# KiCad board Backplane_v2.kicad_pcb (continued)
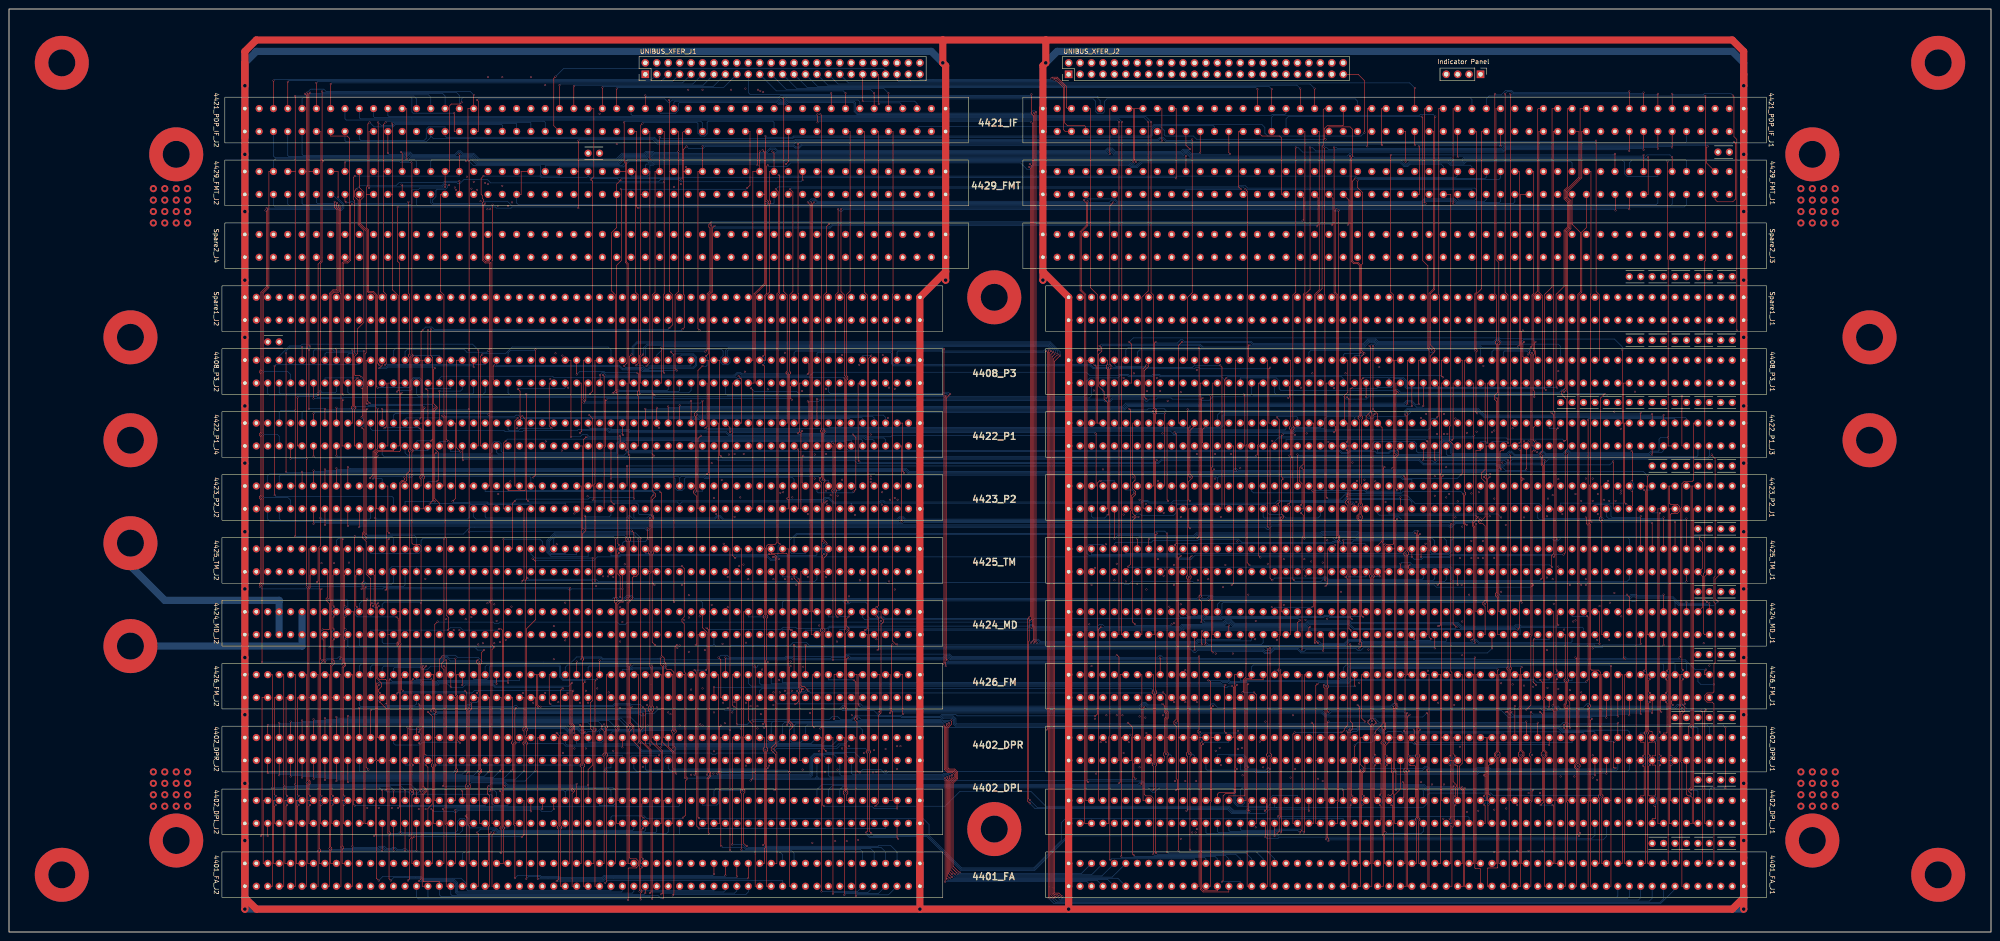
[diagram p0: board, top side]
## Routing (per net, layer and track width the routed paths; a pad name or vN(x,y) marks a point on that pad's centre or on a via; arc(x,y) is an arc through that point) (continued)
OUT*: length 193.6
  F.SigTop w0.127: 4421_PDP_IF_J1.43 317.41,182.88 317.41,141.61 317.54,141.48 317.54,127 ; v2(317.15,77.09) 317.54,77.47 317.54,127 ; v2(271.44,77.09) 271.82,77.47 271.82,107.95 4422_P1_J3.92 ; v2(321.6,77.09) 4425_TM_J1.52 ; 317.54,127 4408_P3_J1.55
  B.Sig.Top w0.127: v2(271.44,77.09) 271.69,77.34 316.9,77.34 v2(317.15,77.09) 317.41,77.34 321.35,77.34 v2(321.6,77.09)
OVFL*: length 19.5
  F.SigTop w0.127: 4421_PDP_IF_J1.70 278.17,176.78 282.1,176.78 282.48,176.4 282.48,163.83 4429_FMT_J1.66
PAUSE1*: length 36.3
  F.Sig.In w0.127: v2(260.13,119.89) 259.88,120.14 259.88,121.16 4408_P3_J1.100 ; 4422_P1_J3.116 241.21,107.95 241.34,108.08 241.34,109.98 240.7,110.62 240.7,110.87 241.34,111.51 241.34,119.76 v2(240.83,120.27)
  B.Sig.In w0.127: v2(260.13,119.89) 259.88,119.63 250.99,119.63 250.1,120.52 241.08,120.52 v2(240.83,120.27)
PNL00*: length 127.3
  F.Sig.In w0.127: 358.43,107.95 358.43,98.55 v2(357.92,98.04) 358.43,97.54 358.43,70.61 v2(357.92,70.1) ; 358.43,107.95 4422_P1_J3.22 ; 358.43,107.95 358.43,112.14 358.18,112.39 358.18,121.92 4408_P3_J1.24
  B.Sig.In w0.127: 4424_MD_J1.61 308.9,70.1 309.28,69.72 350.56,69.72 350.94,70.1 v2(357.92,70.1) ; v2(357.92,98.04) 336.84,98.04 4423_P2_J1.39
PNL01*: length 129
  F.Sig.In w0.127: 355.89,108.08 355.89,121.92 4408_P3_J1.26 ; 355.89,108.08 355.89,107.95 4422_P1_J3.24 ; 355.89,108.08 355.89,105.03 355.64,104.77 355.64,100.33 355.89,100.08 355.89,96.39 v2(355.25,95.76) 355.89,95.12 355.89,65.53 v2(355.25,64.9)
  B.Sig.In w0.127: v2(355.25,95.76) 354.49,95 336.84,95 4423_P2_J1.40 ; 4424_MD_J1.62 308.9,64.64 309.28,64.26 324.77,64.26 325.28,64.77 325.92,64.77 326.43,64.26 352.72,64.26 353.35,64.9 v2(355.25,64.9)
PNL02*: length 120.6
  F.Sig.In w0.127: 353.35,107.95 353.35,121.92 4408_P3_J1.28 ; 353.35,107.95 353.35,98.04 352.72,97.41 v2(352.72,97.28) 353.35,96.65 353.35,92.33 353.1,92.08 353.1,91.44 353.35,91.19 353.35,72.64 v2(353.1,72.39) ; 353.35,107.95 4422_P1_J3.26
  B.Sig.In w0.127: v2(352.72,97.28) 352.21,97.79 334.55,97.79 334.3,98.04 4423_P2_J1.41 ; 4424_MD_J1.63 306.36,72.26 306.49,72.39 v2(353.1,72.39)
PNL2DBL*: length 174.1
  F.Sig.In w0.127: v2(257.21,117.98) 256.83,118.36 256.83,125.73 4408_P3_J1.101
  B.Sig.In w0.127: 4422_P1_J4.81 100.62,111.89 101.13,111.38 103.92,111.38 104.43,111.89 104.43,115.57 104.94,116.08 139.48,116.08 140.88,117.47 145.32,117.47 147.23,119.38 207.05,119.38 207.55,119.89 240.32,119.89 240.83,119.38 255.81,119.38 v2(257.21,117.98)
PNL2DP: length 57.5
  F.SigTop w0.127: v2(270.23,123) 269.78,122.56 269.78,93.98 4423_P2_J1.92
  B.Sig.Top w0.127: v2(270.23,123) 270.55,123.32 295.82,123.32 296.2,122.94 4408_P3_J1.72
PNL2MA*: length 68.7
  F.Sig.In w0.127: v2(157.01,92.84) 157.52,93.35 157.52,100.33 157.26,100.58 157.26,106.17 157.52,106.43 157.52,121.92 4408_P3_J2.38
  B.Sig.In w0.127: 4423_P2_J2.66 120.94,92.46 121.45,91.95 128.05,91.95 128.81,92.71 156.88,92.71 v2(157.01,92.84)
PNL2MD*: length 76.8
  F.SigTop w0.127: v2(317.28,67.94) 317.54,67.94 317.79,68.2 317.79,101.73 318.04,101.98 318.04,121.92 4408_P3_J1.54
  B.Sig.Top w0.127: 4424_MD_J1.42 335.44,66.04 335.44,67.44 335.19,67.69 334.68,67.69 334.43,67.44 322.24,67.44 321.47,68.2 317.79,68.2 317.54,67.94 v2(317.28,67.94)
PNL2PSA*: length 49.3
  F.Sig.In w0.127: 4408_P3_J1.91 271.82,127 271.82,106.68 v2(271.31,106.17)
  B.Sig.In w0.127: v2(271.31,106.17) 270.8,106.68 245.65,106.68 245.4,106.93 4422_P1_J3.112
PNL2TMA*: length 127
  F.SigTop w0.127: v2(154.98,101.73) 155.23,101.98 155.23,127 4408_P3_J2.39
  B.Sig.Top w0.127: 4423_P2_J2.115 57.44,101.35 57.82,101.73 88.3,101.73 88.81,101.22 89.19,101.22 89.7,101.73 v2(154.98,101.73)
PNL03*: length 128.9
  F.Sig.In w0.127: 4408_P3_J1.30 350.81,121.92 350.81,115.57 351.06,115.32 351.06,107.95 ; v2(351.57,62.99) 350.81,63.75 350.81,68.96 351.06,69.22 351.06,70.87 350.81,71.12 350.81,95 351.45,95.63 351.45,95.88 ; 351.06,107.95 350.81,107.7 350.81,96.52 351.45,95.88 ; 351.06,107.95 4422_P1_J3.28 ; 351.45,95.88 v2(351.57,95.76)
  B.Sig.In w0.127: 4424_MD_J1.64 306.36,64.01 306.87,63.5 329.35,63.5 329.73,63.12 351.45,63.12 v2(351.57,62.99) ; 4423_P2_J1.42 334.3,95 334.55,95.25 351.06,95.25 v2(351.57,95.76)
PNL04*: length 118.7
  F.Sig.In w0.127: 348.27,107.95 4422_P1_J3.30 ; 348.27,107.95 348.27,97.79 v2(347.76,97.28) 348.27,96.77 348.27,69.72 v2(347.76,69.22) ; 348.27,107.95 348.27,121.92 4408_P3_J1.32
  B.Sig.In w0.127: v2(347.76,69.22) 347.51,69.47 304.33,69.47 303.82,69.98 4424_MD_J1.65 ; 4423_P2_J1.43 331.76,97.92 332.14,97.54 347.51,97.54 v2(347.76,97.28)
PNL05*: length 115.3
  F.Sig.In w0.127: 345.73,107.95 345.73,107.06 345.48,106.81 345.48,93.47 v2(344.84,92.84) 345.48,92.2 345.48,84.2 345.73,83.95 345.73,67.69 v2(345.22,67.18) ; 345.73,107.95 4422_P1_J3.32 ; 345.73,107.95 345.73,121.92 4408_P3_J1.34
  B.Sig.In w0.127: 4424_MD_J1.66 303.82,66.93 304.07,67.18 321.73,67.18 322.24,67.69 335.19,67.69 335.7,67.18 v2(345.22,67.18) ; v2(344.84,92.84) 331.76,92.84 4423_P2_J1.44
PNL06*: length 111
  F.Sig.In w0.127: v2(342.94,72.9) 343.19,73.15 343.19,82.17 342.43,82.93 342.43,83.57 343.19,84.33 343.19,96.52 v2(342.68,97.03) 343.19,97.54 343.19,107.95 ; 4408_P3_J1.36 342.94,121.92 342.94,115.7 343.19,115.44 343.19,107.95 ; 343.19,107.95 4422_P1_J3.34
  B.Sig.In w0.127: 4424_MD_J1.67 301.28,72.64 302.04,73.41 327.82,73.41 328.58,72.64 342.56,72.64 342.81,72.9 v2(342.94,72.9) ; v2(342.68,97.03) 342.43,97.28 330.62,97.28 329.22,98.68 4423_P2_J1.45
PNL07*: length 120.5
  F.Sig.In w0.127: 340.65,107.95 4422_P1_J3.36 ; 340.65,107.95 340.65,121.92 4408_P3_J1.38 ; 340.65,107.95 340.65,106.43 341.41,105.66 341.41,104.52 340.9,104.01 340.9,92.84 v2(341.41,92.33) 340.9,91.82 340.9,78.11 340.65,77.85 340.65,63.37 v2(341.41,62.61) ; v2(301.79,62.74) 302.04,62.99 302.04,65.28 4424_MD_J1.68
  B.Sig.In w0.127: v2(341.41,92.33) 341.16,92.58 329.47,92.58 329.22,92.84 4423_P2_J1.46 ; v2(341.41,62.61) 341.16,62.87 329.86,62.87 329.47,62.48 302.04,62.48 v2(301.79,62.74)
PNL08*: length 281.6
  F.SigTop w0.127: 335.82,100.97 335.82,100.2 ; 335.82,100.97 v2(336.2,100.58) 335.82,100.2 ; 335.82,100.97 335.82,107.95 ; 335.82,100.2 v2(335.82,73.15) ; 335.82,107.95 4422_P1_J3.42 ; 335.82,107.95 335.82,121.92 ; 335.82,121.92 335.82,133.35 v2(336.08,133.6) ; 335.82,121.92 4408_P3_J1.40 ; 4421_PDP_IF_J1.11 v2(369.23,186.18) ; v2(382.69,185.8) 382.94,185.55 382.94,176.66 383.58,176.02 v2(383.58,133.6)
  B.Sig.In w0.127: 4423_P2_J1.63 307.38,100.08 323.38,100.08 323.63,100.33 335.95,100.33 v2(336.2,100.58)
  B.Sig.Top w0.127: 4424_MD_J1.93 268.26,72.77 268.89,73.41 335.57,73.41 v2(335.82,73.15) ; v2(336.08,133.6) 336.33,133.35 383.32,133.35 v2(383.58,133.6) ; v2(382.69,185.8) 382.31,186.18 376.34,186.18 376.08,185.93 369.48,185.93 v2(369.23,186.18)
PNL09*: length 262.6
  F.SigTop w0.127: 4424_MD_J1.94 267.24,66.04 267.24,102.49 v2(267.5,102.74) ; 4421_PDP_IF_J1.13 v2(366.05,186.18) ; v2(333.28,186.18) 333.28,121.92 ; 333.28,121.92 333.28,107.95 4422_P1_J3.44 331.76,106.93 331.25,106.93 331,106.68 331,103 v2(331.25,102.74) ; 333.28,121.92 4408_P3_J1.42
  F.Sig.In w0.127: v2(331.25,102.74) 330.74,102.24 330.74,92.58 v2(331.25,92.08)
  B.Sig.Top w0.127: v2(366.05,186.18) 365.8,185.93 333.54,185.93 v2(333.28,186.18) ; v2(331.25,102.74) 331,102.49 272.96,102.49 272.45,103 272.2,103 271.69,102.49 267.75,102.49 v2(267.5,102.74) ; 4423_P2_J1.64 306.36,92.84 330.49,92.84 v2(331.25,92.08)
PNL10*: length 246.8
  F.SigTop w0.127: 327.95,101.85 327.95,107.95 4422_P1_J3.46 ; 327.95,101.85 327.95,101.6 v2(327.44,101.09) 327.95,100.58 ; 327.95,101.85 327.95,73.15 v2(327.7,72.9) ; 332.78,121.92 332.78,141.48 332.14,142.11 v2(332.14,186.18) ; 332.78,121.92 v2(332.78,108.58) ; 332.78,121.92 4408_P3_J1.44 ; 4421_PDP_IF_J1.15 v2(362.88,186.44)
  B.Sig.In w0.127: v2(327.44,101.09) 326.93,100.58 323.5,100.58 323.25,100.33 305.09,100.33 4423_P2_J1.65
  B.Sig.Top w0.127: v2(332.78,108.58) 332.78,108.71 332.52,108.97 329.22,108.97 4422_P1_J3.46 ; v2(362.88,186.44) 362.62,186.18 333.92,186.18 333.41,186.69 332.65,186.69 v2(332.14,186.18) ; 4424_MD_J1.95 265.72,70.1 268.77,70.1 269.28,70.61 269.28,72.9 269.53,73.15 327.44,73.15 v2(327.7,72.9)
PNL11*: length 250.1
  F.SigTop w0.127: 325.66,92.46 325.66,91.69 ; 325.66,92.46 325.66,106.93 326.68,106.93 4422_P1_J3.48 ; 325.66,92.46 326.04,92.08 v2(326.17,92.08) 326.05,92.08 325.66,91.69 ; 325.66,91.69 325.66,91.44 325.16,90.93 325.16,90.3 325.41,90.04 v2(325.41,64.26) ; 4421_PDP_IF_J1.17 v2(359.7,186.69) ; v2(329.86,186.18) 329.86,141.74 330.24,141.35 330.24,131.32 329.98,131.06 329.98,130.68 330.24,130.43 330.24,121.92 4408_P3_J1.46 328.2,121.92 v2(328.2,108.58) ; v2(265.59,63.88) 265.59,65.91 4424_MD_J1.96
  B.Sig.Top w0.127: 4423_P2_J1.66 303.82,92.96 304.2,92.58 325.54,92.58 326.04,92.08 v2(326.17,92.08) ; 4422_P1_J3.48 326.68,108.97 327.82,108.97 v2(328.2,108.58) ; v2(265.59,63.88) 265.85,63.63 296.71,63.63 297.6,64.52 299.88,64.52 300.39,64.01 325.16,64.01 v2(325.41,64.26) ; v2(329.86,186.18) 330.11,185.93 331.25,185.93 332.27,186.94 333.54,186.94 334.05,186.44 359.45,186.44 v2(359.7,186.69)
PNL12*: length 213.4
  F.SigTop w0.127: 307.88,119.51 v2(308.26,119.89) 307.88,120.27 ; 307.88,119.51 307.88,107.44 v2(308.39,106.93) 308.39,105.92 307.88,105.41 307.88,98.42 v2(308.2,98.11) ; 307.88,119.51 307.88,120.27 ; 307.88,120.27 307.88,121.92 4408_P3_J1.62 ; 4421_PDP_IF_J1.23 348.78,182.88 348.78,167.51 345.73,164.46 345.73,163.07 346.49,162.31 346.49,156.34 345.73,155.57 345.73,120.4 v2(345.22,119.89) ; 4423_P2_J1.67 300.26,99.06 300.26,95.25 300.52,95 300.52,94.62 300.26,94.36 300.26,92.58 300.52,92.33 300.52,91.95 300.26,91.69 300.26,70.36 v2(300.64,69.98)
  B.Sig.Top w0.127: v2(308.39,106.93) 306.61,106.93 306.23,106.55 303.82,106.55 4422_P1_J3.66 ; v2(308.26,119.89) 308.52,119.63 344.97,119.63 v2(345.22,119.89) ; 4423_P2_J1.67 301.28,98.04 301.41,97.92 308.01,97.92 v2(308.2,98.11) ; v2(300.64,69.98) 300.52,70.1 293.28,70.1 293.02,70.36 292.01,70.36 291.75,70.1 269.15,70.1 268.89,69.85 265.59,69.85 265.08,70.36 263.94,70.36 4424_MD_J1.97
PNL13*: length 215.5
  F.SigTop w0.127: 300.26,107.95 300.26,99.57 300.01,99.31 v2(300.01,94.74) 300.01,92.84 299.5,92.33 299.5,91.95 300.01,91.44 300.01,64.52 300.26,64.26 300.26,63.5 v2(299.76,62.99) ; 300.26,107.95 300.26,113.79 300.52,114.05 300.52,114.43 300.26,114.68 300.26,122.68 v2(300.64,123.06) ; 300.26,107.95 4422_P1_J3.68 ; 4421_PDP_IF_J1.25 345.98,182.88 345.98,165.48 345.22,164.72 345.22,162.81 345.98,162.05 345.98,156.59 345.22,155.83 345.22,143.38 343.44,141.61 343.44,121.16 v2(343.7,120.9) ; v2(263.18,62.61) 4424_MD_J1.98
  B.Sig.Top w0.127: 306.36,122.94 4408_P3_J1.64 ; 306.36,122.94 306.61,123.19 309.54,123.19 310.17,122.56 310.17,121.16 310.42,120.9 v2(343.7,120.9) ; 306.36,122.94 306.11,123.19 300.77,123.19 v2(300.64,123.06) ; v2(300.01,94.74) 300.77,93.98 4423_P2_J1.68 ; v2(263.18,62.61) 263.43,62.87 278.55,62.87 278.94,62.47 279.93,62.47 280.71,63.25 299.5,63.25 v2(299.76,62.99)
PNL14*: length 204.6
  F.SigTop w0.127: v2(298.23,120.78) 297.72,120.78 297.72,107.95 ; 297.72,107.95 4422_P1_J3.70 ; 297.72,107.95 297.72,99.06 ; 297.72,99.06 297.72,69.85 v2(298.11,69.47) ; 297.72,99.06 4423_P2_J1.69 ; v2(341.16,120.4) 340.9,120.65 340.9,141.61 342.56,143.26 342.56,182.88 343.82,182.88
  B.Sig.Top w0.127: 303.82,120.9 303.69,120.78 v2(298.23,120.78) ; 303.82,120.9 4408_P3_J1.66 ; 303.82,120.9 306.87,120.9 307.38,121.41 307.38,122.68 307.63,122.94 309.41,122.94 309.92,122.43 309.92,121.03 310.3,120.65 340.9,120.65 v2(341.16,120.4) ; 4424_MD_J1.99 261.66,70.1 264.96,70.1 265.47,69.6 269.02,69.6 269.28,69.85 291.88,69.85 292.14,70.1 292.9,70.1 293.15,69.85 297.72,69.85 v2(298.11,69.47)
PNL15*: length 206.4
  F.SigTop w0.127: 297.47,107.95 297.47,95.76 v2(297.22,95.5) 297.47,95.25 297.47,67.44 v2(297.98,66.93) ; 297.47,107.95 297.47,118.36 v2(296.96,118.87) ; 297.47,107.95 4422_P1_J3.72 ; 4421_PDP_IF_J1.29 339.51,182.88 339.38,182.75 339.38,142.37 338.36,141.35 338.36,129.16 338.62,128.9 338.62,128.4 338.36,128.14 338.36,120.4 338.62,120.14 v2(338.62,118.87) ; v2(301.28,118.87) 4408_P3_J1.68
  B.Sig.Top w0.127: 4423_P2_J1.70 298.74,95.12 298.36,95.5 v2(297.22,95.5) ; 4424_MD_J1.100 260.64,67.06 260.89,67.31 297.6,67.31 v2(297.98,66.93) ; v2(338.62,118.87) 338.36,119.13 301.53,119.13 v2(301.28,118.87) 301.03,119.13 297.22,119.13 v2(296.96,118.87)
PS0WRT: length 66.3
  F.SigTop w0.127: 4408_P3_J2.21 177.58,126.24 177.58,124.21 v2(177.33,123.95) ; 4422_P1_J4.58 132.12,107.95 132.12,123.44 v2(131.86,123.7)
  B.Sig.Top w0.127: v2(177.33,123.95) 177.07,123.7 162.6,123.7 162.34,123.95 161.71,123.95 161.2,123.44 132.12,123.44 v2(131.86,123.7)
PS1WRT: length 140.2
  F.SigTop w0.127: v2(175.17,110.74) 175.55,111.12 175.55,121.92 4408_P3_J2.22 ; v2(241.21,110.74) 241.34,110.62 241.34,99.06 4423_P2_J1.115
  B.Sig.Top w0.127: v2(241.21,110.74) 240.95,111 181.52,111 181.01,110.49 175.42,110.49 v2(175.17,110.74) 174.92,111 160.82,111 160.31,110.49 159.93,110.49 159.29,111.12 137.83,111.12 137.58,111.38 133.64,111.38 133.13,111.89 128.94,111.89 128.56,112.27 4422_P1_J4.59
PS2WRT: length 113.5
  F.SigTop w0.127: v2(243.88,92.58) 244.13,92.84 v2(244.13,125.6)
  B.Sig.Top w0.127: 4408_P3_J2.23 174.28,128.65 174.66,129.03 195.87,129.03 196.12,128.78 196.12,126.37 196.5,125.98 240.19,125.98 240.83,125.35 243.88,125.35 v2(244.13,125.6) ; 4423_P2_J1.116 240.32,92.33 240.7,91.95 243.24,91.95 v2(243.88,92.58)
PS03*: length 36.4
  F.SigTop w0.127: 4408_P3_J2.60 128.05,121.41 128.05,118.11 v2(127.54,117.6) ; 4422_P1_J4.39 v2(153.96,117.98)
  B.Sig.Top w0.127: v2(127.54,117.6) 127.67,117.47 153.45,117.47 v2(153.96,117.98)
PS3WRT: length 70.9
  F.SigTop w0.127: v2(132.62,118.24) 132.37,117.98 132.37,107.82 132.12,107.57 132.12,93.98 4423_P2_J2.58 ; v2(173.77,118.24) 173.52,118.49 173.52,121.16 4408_P3_J2.24
  B.Sig.Top w0.127: v2(173.77,118.24) 173.52,118.49 132.88,118.49 v2(132.62,118.24)
PS06*: length 38.9
  F.SigTop w0.127: 4408_P3_J2.59 127.54,127 v2(127.54,118.24) ; v2(151.42,117.98) 4422_P1_J4.41
  B.Sig.Top w0.127: v2(151.42,117.98) 151.17,117.73 128.05,117.73 v2(127.54,118.24)
PS07*B: length 40.7
  F.Sig.In w0.127: v2(195.11,114.17) 195.11,114.43 193.84,115.7 193.84,121.16 4408_P3_J2.8
  B.Sig.In w0.127: v2(195.11,114.17) 164.12,114.17 4422_P1_J4.31
PS08*: length 34.6
  F.SigTop w0.127: v2(126.02,123.82) 4408_P3_J2.61 ; v2(139.48,124.21) 139.74,123.95 139.74,120.27 139.48,120.01 139.48,119.25 139.74,119 139.74,107.95 4422_P1_J4.52
  B.Sig.Top w0.127: v2(126.02,123.82) 126.65,124.46 132.12,124.46 132.37,124.21 v2(139.48,124.21)
PS09*: length 25
  F.SigTop w0.127: v2(126.78,110.87) 127.04,111.12 127.04,121.92 4408_P3_J2.62 ; 4422_P1_J4.53 136.18,110.49 v2(136.31,110.36)
  B.Sig.Top w0.127: v2(126.78,110.87) 127.29,111.38 132.75,111.38 133.26,110.87 135.8,110.87 v2(136.31,110.36)
PS10*: length 32.2
  F.SigTop w0.127: 4422_P1_J4.54 135.67,108.46 v2(135.67,110.24) ; v2(124.75,109.98) 124.75,127 4408_P3_J2.63
  B.Sig.Top w0.127: v2(135.67,110.24) 135.42,109.98 128.81,109.98 128.31,110.49 127.29,110.49 126.78,109.98 v2(124.75,109.98)
PS11*: length 19.7
  F.SigTop w0.127: 4422_P1_J4.71 113.32,113.66 113.57,113.92 113.57,114.3 113.45,114.43 113.45,120.14 v2(112.94,120.65)
  B.Sig.Top w0.127: 4408_P3_J2.64 123.48,120.9 123.23,120.65 v2(112.94,120.65)
PS12*: length 26.4
  F.Sig.In w0.127: v2(119.16,108.97) 119.67,109.47 119.67,127 4408_P3_J2.65
  B.Sig.In w0.127: v2(119.16,108.97) 113.32,108.97 4422_P1_J4.72
PS13*: length 22.6
  F.SigTop w0.127: 4408_P3_J2.66 119.92,121.92 119.92,112.39 v2(120.43,111.89)
  B.Sig.Top w0.127: 4422_P1_J4.73 110.78,111.63 111.03,111.38 113.07,111.38 113.57,111.89 v2(120.43,111.89)
PS14*: length 25.4
  F.SigTop w0.127: 4408_P3_J2.81 99.35,127 99.35,107.57 v2(100.24,106.68)
  B.Sig.Top w0.127: 4422_P1_J4.84 98.08,106.68 v2(100.24,106.68)
PS15*: length 13.7
  F.SigTop w0.127: 4422_P1_J4.85 v2(95.54,120.14)
  B.Sig.Top w0.127: v2(95.54,120.14) 100.24,120.14 100.62,120.52 4408_P3_J2.82
PS16*: length 22.3
  F.SigTop w0.127: v2(97.57,108.97) 97.06,109.47 97.06,127 4408_P3_J2.83
  B.Sig.Top w0.127: v2(97.57,108.97) 95.54,108.97 4422_P1_J4.86
PS17*: length 14.4
  F.SigTop w0.127: v2(92.62,120.65) 93,120.27 4422_P1_J4.87
  B.Sig.Top w0.127: 4408_P3_J2.84 98.08,120.78 97.95,120.65 v2(92.62,120.65)
PS18*: length 33.3
  F.SigTop w0.127: v2(89.19,106.93) v2(89.19,128.02)
  B.Sig.Top w0.127: 4422_P1_J4.88 93,106.93 v2(89.19,106.93) ; 4408_P3_J2.85 95.54,128.02 v2(89.19,128.02)
PS19*: length 27.3
  F.SigTop w0.127: v2(78.78,129.03) 78.78,113.03 4422_P1_J4.99
  B.Sig.Top w0.127: 4408_P3_J2.105 70.14,128.4 70.52,128.78 76.36,128.78 76.62,129.03 v2(78.78,129.03)
PS20*: length 25
  F.SigTop w0.127: 4422_P1_J4.100 76.74,107.95 76.74,116.08 77,116.33 77,116.59 76.74,116.84 76.74,122.43 v2(77.38,123.06)
  B.Sig.Top w0.127: v2(77.38,123.06) 70.14,123.06 4408_P3_J2.106
PS21*: length 28.5
  F.SigTop w0.127: 4422_P1_J4.101 76.24,113.03 76.24,116.08 75.98,116.33 75.98,116.59 76.24,116.84 v2(76.24,129.29)
  B.Sig.Top w0.127: 4408_P3_J2.107 67.6,129.03 67.85,129.29 71.92,129.29 72.17,129.03 75.98,129.03 v2(76.24,129.29)
PS22*: length 21.8
  F.SigTop w0.127: 4422_P1_J4.102 73.95,107.95 73.95,117.98 v2(74.2,118.24) ; v2(67.6,118.49) 4408_P3_J2.108
  B.Sig.Top w0.127: v2(67.6,118.49) 73.95,118.49 v2(74.2,118.24)
PS24*A: length 208.5
  F.SigTop w0.127: v2(256.58,115.19) 256.58,99.06 4423_P2_J1.103 ; 4422_P1_J4.107 v2(67.6,115.19)
  B.Sig.Top w0.127: v2(67.6,115.19) 67.85,115.44 253.65,115.44 253.91,115.19 v2(256.58,115.19)
PS25*A: length 201.8
  F.SigTop w0.127: v2(254.8,104.77) 254.54,104.52 254.54,93.98 4423_P2_J1.104 ; 4422_P1_J4.108 v2(67.6,105.66)
  B.Sig.Top w0.127: v2(254.8,104.77) 254.54,105.03 157.52,105.03 157.26,105.28 67.98,105.28 v2(67.6,105.66)
PS26*A: length 209.1
  F.SigTop w0.127: 4423_P2_J1.105 254.04,99.06 v2(254.04,115.7)
  B.Sig.Top w0.127: 4422_P1_J4.109 65.06,115.44 65.31,115.7 v2(254.04,115.7)
PS33*: length 42.1
  F.Sig.In w0.127: v2(193.84,97.66) 193.58,97.92 193.58,127.76 v2(193.96,128.14)
  B.Sig.In w0.127: 4408_P3_J2.13 186.98,128.02 187.49,128.52 193.58,128.52 v2(193.96,128.14) ; 4423_P2_J2.9 192.06,97.92 192.31,97.66 v2(193.84,97.66)
PS35*: length 39.8
  F.Sig.In w0.127: v2(195.62,96.01) 195.62,120.65 v2(195.36,120.9)
  B.Sig.In w0.127: 4408_P3_J2.14 186.98,121.03 187.11,120.9 v2(195.36,120.9) ; 4423_P2_J2.10 192.06,95.88 192.19,96.01 v2(195.62,96.01)
PS36*: length 33.6
  F.Sig.In w0.127: 4423_P2_J2.11 188.5,99.06 188.5,103.89 188.25,104.14 188.25,125.48 v2(188.76,125.98)
  B.Sig.In w0.127: v2(188.76,125.98) 184.44,125.98 4408_P3_J2.15
PS37*: length 47.7
  F.Sig.In w0.127: v2(196.63,96.39) 196.12,96.9 196.12,120.14 v2(196.63,120.65)
  B.Sig.In w0.127: 4423_P2_J2.12 189.52,95.88 190.03,96.39 195.24,96.39 195.49,96.65 196.38,96.65 v2(196.63,96.39) ; v2(196.63,120.65) 196.38,120.4 184.82,120.4 184.44,120.78 4408_P3_J2.16
PS38*: length 38.8
  F.Sig.In w0.127: 4408_P3_J2.17 182.92,127 182.92,109.47 183.42,108.97 183.42,108.71 183.17,108.46 183.17,98.6 182.62,98.04 v2(181.39,98.04)
  B.Sig.In w0.127: 4423_P2_J2.13 186.98,97.92 186.6,97.54 181.9,97.54 v2(181.39,98.04)
PS56*: length 43.8
  F.SigTop w0.127: 4408_P3_J2.95 82.84,125.86 v2(82.21,125.22) ; v2(94.52,125.22) 94.27,124.97 94.27,117.35 95.03,116.59 95.03,116.33 94.52,115.82 94.52,107.31 95.29,106.55 95.29,100.33 v2(95.03,100.08)
  B.Sig.Top w0.127: v2(95.03,100.08) 93,100.08 4423_P2_J2.87 ; v2(82.21,125.22) 83.86,125.22 84.11,125.48 94.27,125.48 v2(94.52,125.22)
PS57*: length 33.4
  F.SigTop w0.127: 4423_P2_J2.89 91.48,99.06 91.48,100.58 91.22,100.84 91.22,101.22 91.48,101.47 91.48,111.63 v2(91.09,112.01) ; 4408_P3_J2.96 83.86,121.92 83.86,112.39 v2(83.35,111.89)
  B.Sig.Top w0.127: v2(83.35,111.89) 83.47,112.01 v2(91.09,112.01)
PS59*: length 48.2
  F.SigTop w0.127: v2(79.54,117.22) 79.28,117.47 79.28,127 4408_P3_J2.97 ; 4423_P2_J2.90 91.98,93.98 91.98,100.58 92.24,100.84 92.24,101.22 91.98,101.47 91.98,116.08 92.24,116.33 v2(92.24,116.46)
  B.Sig.Top w0.127: v2(79.54,117.22) 79.79,116.97 91.73,116.97 v2(92.24,116.46)
PS61*: length 49.2
  F.SigTop w0.127: v2(94.52,95.63) 94.27,95.88 94.27,116.2 v2(94.52,116.46) ; 4408_P3_J2.98 79.54,121.16 79.54,117.98 v2(80.05,117.47)
  B.Sig.Top w0.127: v2(80.05,117.47) 80.3,117.22 93.76,117.22 v2(94.52,116.46) ; v2(94.52,95.63) 87.92,95.63 4423_P2_J2.92
PS63*: length 77.6
  F.SigTop w0.127: v2(58.96,125.73) v2(58.96,97.03)
  B.Sig.Top w0.127: v2(58.96,125.73) 59.22,125.98 77.63,125.98 77.76,126.11 4408_P3_J2.99 ; v2(58.96,97.03) 59.22,96.77 85,96.77 85.38,96.39 4423_P2_J2.94
PSA2PNL: length 139.6
  F.SigTop w0.127: v2(164.75,120.78) 165.14,120.4 165.14,93.98 4423_P2_J2.32
  B.Sig.Top w0.127: 4408_P3_J1.92 270.55,121.92 269.15,123.32 255.56,123.32 255.31,123.57 254.04,123.57 253.78,123.32 248.57,123.32 248.32,123.57 246.67,123.57 246.16,123.06 239.94,123.06 239.3,122.43 239.3,119.63 238.54,118.87 208.7,118.87 208.57,119 208.57,119.25 208.19,119.63 207.68,119.63 207.43,119.38 175.55,119.38 174.92,120.01 165.52,120.01 v2(164.75,120.78)
PSA04*: length 44.1
  F.Sig.In w0.127: v2(156.5,96.39) 4423_P2_J2.37 ; v2(128.43,96.77) 129.58,97.92 129.58,107.95 4422_P1_J4.60
  B.Sig.In w0.127: v2(128.43,96.77) 128.69,97.03 142.15,97.03 142.78,96.39 143.67,96.39 144.05,96.77 150.91,96.77 151.29,96.39 v2(156.5,96.39)
PSA05*: length 53.5
  F.Sig.In w0.127: 4422_P1_J4.61 125,113.03 125,110.49 125.26,110.24 125.26,109.86 125,109.6 125,93.47 v2(125.51,92.96)
  B.Sig.In w0.127: 4423_P2_J2.38 156.5,92.96 v2(125.51,92.96)
PSA06*: length 63.4
  F.SigTop w0.127: v2(152.69,114.94) 152.69,98.04 v2(152.44,97.79)
  B.Sig.Top w0.127: 4423_P2_J2.39 153.96,97.92 152.56,97.92 v2(152.44,97.79) ; v2(152.69,114.94) 152.82,114.81 194.09,114.81 194.6,114.3 4422_P1_J4.7
PSA07*: length 60.3
  F.SigTop w0.127: v2(153.58,110.24) 152.94,109.6 152.94,93.98 4423_P2_J2.40
  B.Sig.Top w0.127: v2(153.58,110.24) 153.83,109.98 190.03,109.98 190.28,109.73 194.22,109.73 194.6,109.35 4422_P1_J4.8
PSA08*: length 81.9
  F.SigTop w0.127: 4423_P2_J2.59 129.58,99.06 129.58,114.05 v2(128.81,114.81)
  B.Sig.Top w0.127: v2(128.81,114.81) 129.07,114.55 152.06,114.55 152.31,114.3 152.94,114.3 153.2,114.55 191.68,114.55 192.06,114.17 4422_P1_J4.9
PSA09*: length 82.7
  F.SigTop w0.127: v2(128.18,109.98) 127.54,109.35 127.54,93.98 4423_P2_J2.60
  B.Sig.Top w0.127: 4422_P1_J4.10 192.06,109.09 191.74,109.41 190.09,109.41 189.77,109.73 128.43,109.73 v2(128.18,109.98)
PSA10*: length 98.5
  F.SigTop w0.127: v2(113.95,114.55) 114.59,113.92 114.59,98.17 114.46,98.04 110.78,98.04 4423_P2_J2.73
  B.Sig.Top w0.127: 4422_P1_J4.11 189.52,114.05 189.27,114.3 153.32,114.3 153.07,114.05 152.18,114.05 151.93,114.3 114.21,114.3 v2(113.95,114.55)
PSA11*: length 97
  F.SigTop w0.127: v2(110.27,109.09) 109.76,108.58 109.76,93.98 4423_P2_J2.74
  B.Sig.Top w0.127: v2(110.27,109.09) 110.65,109.47 189.14,109.47 189.52,109.09 4422_P1_J4.12
PSA12*: length 109.2
  F.SigTop w0.127: v2(96.18,114.68) 96.56,114.3 96.56,99.06 4423_P2_J2.85
  B.Sig.Top w0.127: 4422_P1_J4.13 186.98,113.66 186.6,114.05 153.45,114.05 153.2,113.79 152.06,113.79 151.8,114.05 113.83,114.05 113.07,114.81 112.56,114.81 112.18,114.43 96.43,114.43 v2(96.18,114.68)
PSA13*: length 113.2
  F.SigTop w0.127: v2(94.78,106.43) 94.52,106.17 94.52,96.27 95.54,95.25 4423_P2_J2.86
  B.Sig.Top w0.127: 4422_P1_J4.14 186.98,109.22 135.55,109.22 134.91,108.58 134.91,106.55 134.78,106.43 109.64,106.43 109.26,106.81 109.26,108.46 108.75,108.97 107.73,108.97 107.22,108.46 107.22,106.55 106.84,106.17 95.03,106.17 v2(94.78,106.43)
PSA14*: length 147.2
  F.SigTop w0.127: 4422_P1_J4.5 198.41,113.03 198.41,102.36 198.66,102.11 v2(198.66,101.98) ; 4423_P2_J2.107 v2(67.6,102.49)
  B.Sig.Top w0.127: v2(67.6,102.49) 67.85,102.24 198.54,102.24 198.66,102.11 v2(198.66,101.98)
PSA15*: length 151.8
  F.SigTop w0.127: 4422_P1_J4.6 198.16,107.95 v2(198.16,91.19) ; 4423_P2_J2.108 v2(67.6,90.68)
  B.Sig.Top w0.127: v2(67.6,90.68) 67.85,90.93 197.9,90.93 v2(198.16,91.19)
PSAAD: length 27.2
  F.Sig.In w0.127: v2(183.93,96.9) 183.68,96.65 183.68,94.74 4423_P2_J2.16 ; 4422_P1_J4.24 173.26,107.95 173.26,97.15 v2(173.9,96.52)
  B.Sig.In w0.127: v2(183.93,96.9) 183.17,96.14 182.41,96.14 182.03,96.52 181.26,96.52 180.5,95.76 174.66,95.76 v2(173.9,96.52)
PSABD: length 117.8
  F.SigTop w0.127: v2(180.62,100.34) 180.63,100.35 v2(180.63,111.25)
  B.Sig.Top w0.127: 4422_P1_J3.81 283.5,111.76 283.25,111.51 180.88,111.51 v2(180.63,111.25) ; 4423_P2_J2.17 181.9,100.33 181.89,100.34 v2(180.62,100.34)
PSACD: length 36.7
  F.Sig.In w0.127: v2(162.34,96.52) 162.6,96.77 162.6,106.93 4422_P1_J4.34 ; v2(182.41,97.03) 182.92,96.52 182.92,93.98 4423_P2_J2.18
  B.Sig.In w0.127: v2(162.34,96.52) 162.6,96.77 172.25,96.77 172.76,97.28 182.15,97.28 v2(182.41,97.03)
PSACLKE*: length 129.8
  F.Sig.In w0.127: 4408_P3_J1.98 263.69,122.43 v2(263.69,124.84) ; v2(163.36,124.46) 163.1,124.21 163.1,107.19 164.12,106.17 4423_P2_J2.31
  B.Sig.In w0.127: v2(163.36,124.46) 163.61,124.21 172.38,124.21 172.88,124.71 249.08,124.71 249.21,124.84 v2(263.69,124.84)
PSH2DP: length 182.1